# KiCad board ov9281-dual-camera-board.kicad_pcb
rev: 1.1.1
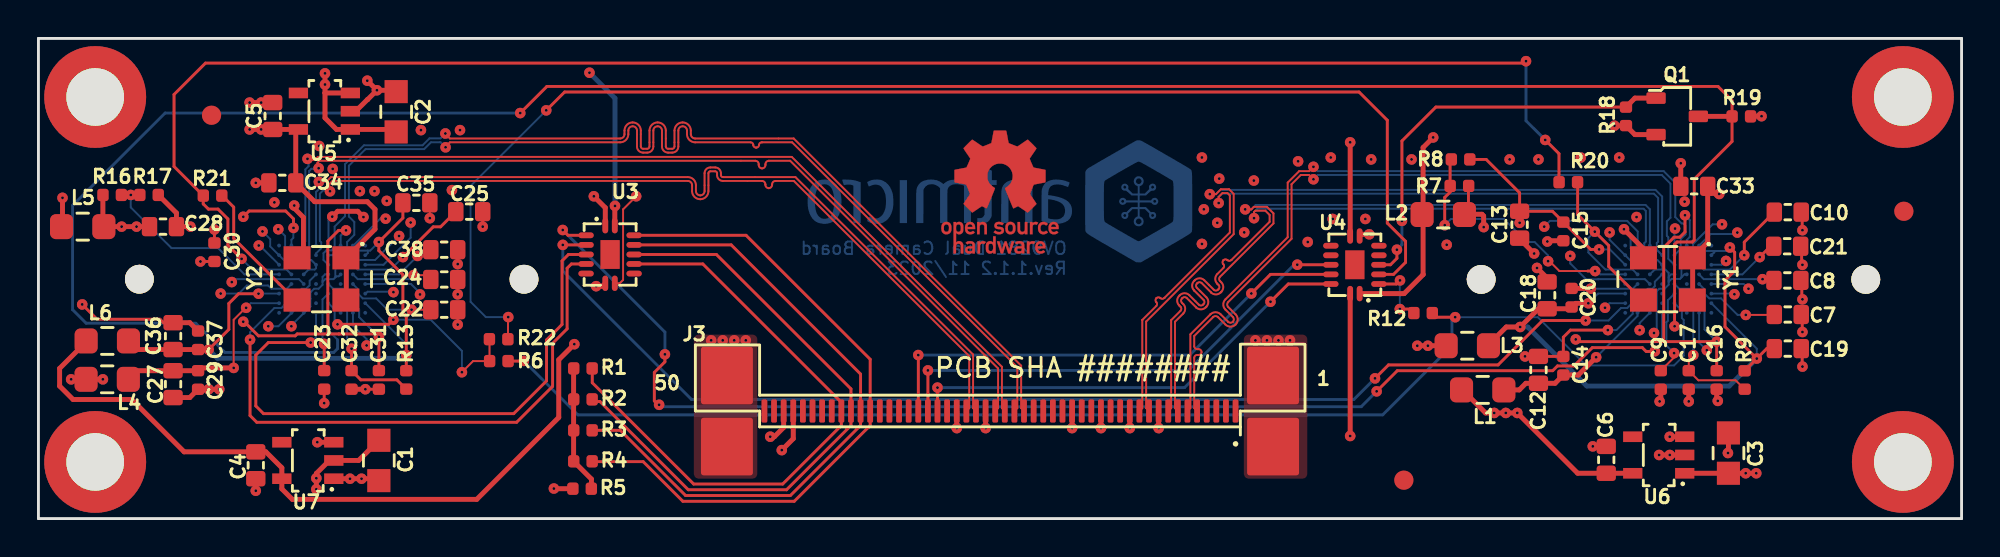
[diagram p0: board, top side]
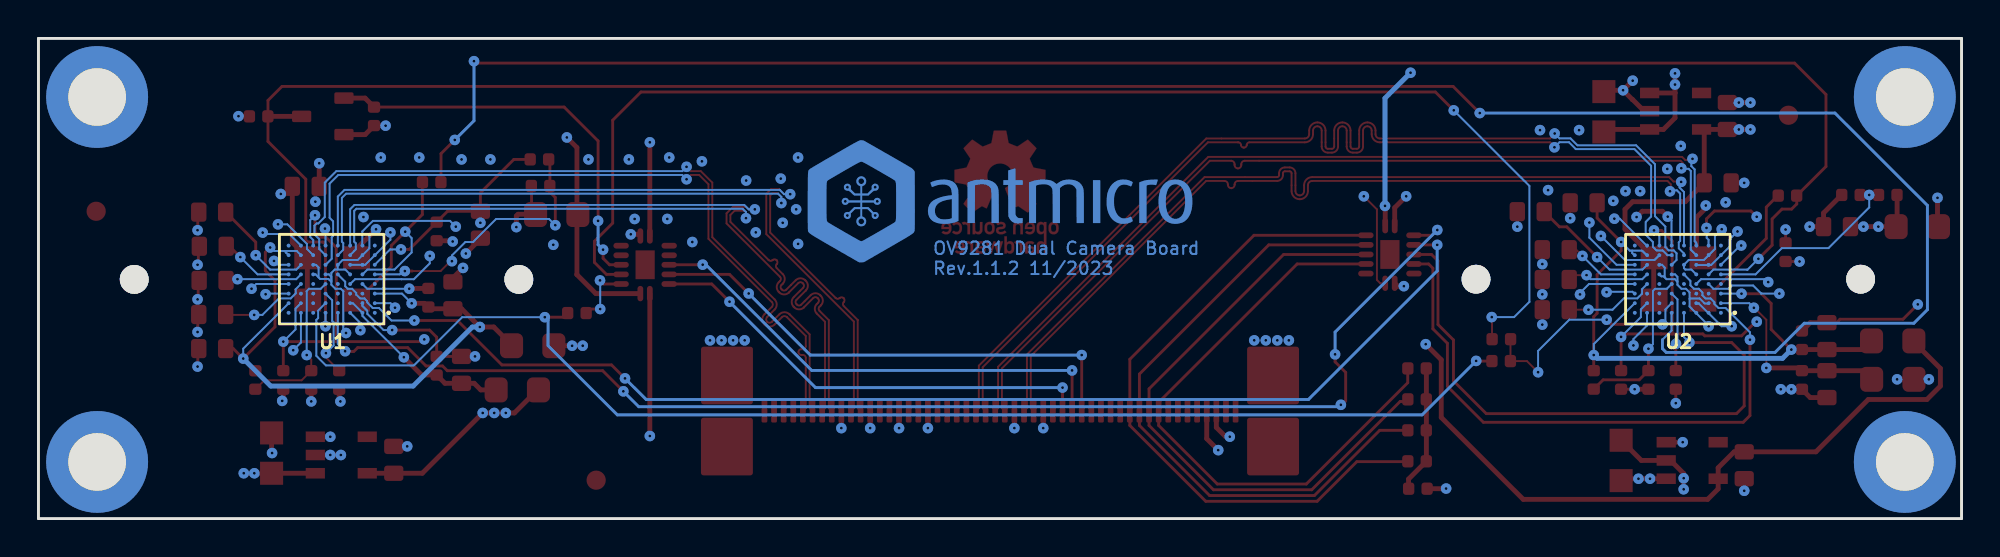
[diagram p1: board, bottom side, seen from below]

Outline 100 x 25 mm; copper layers: Top, In1.Cu, In2.Cu, Bottom. Coordinates in mm from the lower left corner of the outline.
Outline path: 0,25 0,0 100,0 100,25 0,25
Stack: Top 0.035mm / dielectric 0.48mm FR4 er 4.5 / In1.Cu 0.035mm / dielectric 0.48mm FR4 er 4.5 / In2.Cu 0.035mm / dielectric 0.48mm FR4 er 4.5 / Bottom 0.035mm

## Placement (name value [footprint] x y rotation side)
C1  C_4u7_0805  [C_0805_2012Metric]  17.7 3.03 90 top
C2  C_4u7_0805  [C_0805_2012Metric]  18.6 21.18 90 top
C3  C_4u7_0805  [C_0805_2012Metric]  87.88 3.41 90 top
C4  C_1u_0603  [C_0603_1608Metric]  11.3 2.78 270 top
C5  C_1u_0603  [C_0603_1608Metric]  12.18 20.96 90 top
C6  C_1u_0603  [C_0603_1608Metric]  81.53 3.06 90 top
C7  C_1u_0603  [C_0603_1608Metric]  90.97 10.63 0 top
C8  C_1u_0603  [C_0603_1608Metric]  90.94 12.4 0 top
C9  C_100n_6V3_0402  [C_0402_1005Metric]  84.36 7.22 270 top
C10  C_1u_0603  [C_0603_1608Metric]  90.97 15.95 0 top
C12  C_1u_0603  [C_0603_1608Metric]  78 7.74 90 top
C13  C_1u_0603  [C_0603_1608Metric]  77.02 15.3 90 top
C14  C_100n_6V3_0402  [C_0402_1005Metric]  79.29 7.96 90 top
C15  C_100n_6V3_0402  [C_0402_1005Metric]  79.29 14.95 90 top
C16  C_100n_6V3_0402  [C_0402_1005Metric]  87.27 7.22 270 top
C17  C_100n_6V3_0402  [C_0402_1005Metric]  85.82 7.22 270 top
C18  C_1u_0603  [C_0603_1608Metric]  78.45 11.62 90 top
C19  C_1u_0603  [C_0603_1608Metric]  90.97 8.85 0 top
C20  C_100n_6V3_0402  [C_0402_1005Metric]  79.72 11.5 90 top
C21  C_1u_0603  [C_0603_1608Metric]  90.94 14.18 0 top
C22  C_1u_0603  [C_0603_1608Metric]  21.1 10.88 0 top
C23  C_100n_6V3_0402  [C_0402_1005Metric]  14.86 7.22 270 top
C24  C_1u_0603  [C_0603_1608Metric]  21.1 12.45 0 top
C25  C_1u_0603  [C_0603_1608Metric]  22.4 15.98 0 top
C27  C_1u_0603  [C_0603_1608Metric]  7 7 270 top
C28  C_1u_0603  [C_0603_1608Metric]  6.47 15.2 0 top
C29  C_100n_6V3_0402  [C_0402_1005Metric]  8.3 7.22 270 top
C30  C_100n_6V3_0402  [C_0402_1005Metric]  9.15 13.87 90 top
C31  C_100n_6V3_0402  [C_0402_1005Metric]  17.7 7.22 270 top
C32  C_100n_6V3_0402  [C_0402_1005Metric]  16.28 7.22 270 top
C33  C_1u_0603  [C_0603_1608Metric]  86.1 17.3 180 top
C34  C_1u_0603  [C_0603_1608Metric]  12.68 17.48 180 top
C35  C_1u_0603  [C_0603_1608Metric]  19.65 16.44 0 top
C36  C_1u_0603  [C_0603_1608Metric]  7 9.5 90 top
C37  C_100n_6V3_0402  [C_0402_1005Metric]  8.3 9.28 90 top
C38  C_1u_0603  [C_0603_1608Metric]  21.1 14 0 top
FID1  -  [Fiducial_1mm_Mask3mm]  97 16 0 top
FID2  -  [Fiducial_1mm_Mask3mm]  9 21 0 top
FID3  -  [Fiducial_1mm_Mask3mm]  71 2 0 top
J3  Conn_FFC_WE_68715014522_TWO-SIDES  [Conn_FFC_WE_68715014x22_ALT]  50 7.75 180 top
L1  MLP2012S3R3MT  [L_0805_2012Metric]  75.1 6.7 0 top
L2  MLP2012S3R3MT  [L_0805_2012Metric]  73.05 15.83 0 top
L3  MLP2012S3R3MT  [L_0805_2012Metric]  74.3 9 0 top
L4  MLP2012S3R3MT  [L_0805_2012Metric]  3.58 7.25 0 top
L5  MLP2012S3R3MT  [L_0805_2012Metric]  2.3 15.2 0 top
L6  MLP2012S3R3MT  [L_0805_2012Metric]  3.58 9.25 0 top
MP1  Spacer_H3mm_9774030243R  [Spacer_Drill3mm_H3mm_9774030243R]  2.95 2.95 0 top
MP2  Spacer_H3mm_9774030243R  [Spacer_Drill3mm_H3mm_9774030243R]  96.95 21.95 0 top
MP3  Spacer_H3mm_9774030243R  [Spacer_Drill3mm_H3mm_9774030243R]  2.95 21.95 0 top
MP4  Spacer_H3mm_9774030243R  [Spacer_Drill3mm_H3mm_9774030243R]  96.95 2.95 0 top
MP5  -  [Camera_Lens_20mm]  15.25 12.46 0 bottom  (not fitted)
MP6  -  [Camera_Lens_20mm]  85.02 12.45 0 bottom  (not fitted)
N1  antmicro_logo  [antmicro-logo_scaled_20mm]  50 16.33 180 bottom
N2  oshw_logo  [oshw-logo]  50 17 0 top
Q1  BSS138AKA  [SOT-23-3]  85.21 20.94 0 top
R1  R_2k37_0402  [R_0402_1005Metric]  28.31 7.82 0 top  (not fitted)
R2  R_2k37_0402  [R_0402_1005Metric]  28.31 6.21 0 top  (not fitted)
R3  R_2k37_0402  [R_0402_1005Metric]  28.31 4.59 0 top  (not fitted)
R4  R_2k37_0402  [R_0402_1005Metric]  28.31 2.98 0 top  (not fitted)
R5  R_0R_0402  [R_0402_1005Metric]  28.27 1.56 0 top  (not fitted)
R6  R_0R_0402  [R_0402_1005Metric]  23.94 8.2 180 top  (not fitted)
R7  R_0R_0402  [R_0402_1005Metric]  73.89 17.32 180 top  (not fitted)
R8  R_0R_0402  [R_0402_1005Metric]  73.95 18.7 0 top  (not fitted)
R9  R_0R_0402  [R_0402_1005Metric]  88.72 7.22 90 top
R12  R_0R_0402  [R_0402_1005Metric]  72 10.7 180 top  (not fitted)
R13  R_0R_0402  [R_0402_1005Metric]  19.13 7.22 90 top
R16  R_0R_0402  [R_0402_1005Metric]  3.83 16.85 0 top  (not fitted)
R17  R_0R_0402  [R_0402_1005Metric]  5.75 16.85 0 top  (not fitted)
R18  R_10k_0402  [R_0402_1005Metric]  82.55 20.94 270 top
R19  R_2k_0402  [R_0402_1005Metric]  88.55 20.94 180 top
R20  R_0R_0402  [R_0402_1005Metric]  79.55 17.51 0 top  (not fitted)
R21  R_0R_0402  [R_0402_1005Metric]  9.05 16.81 0 top
R22  R_0R_0402  [R_0402_1005Metric]  23.93 9.34 0 top  (not fitted)
U1  ImageSensor_OV9281  [OV9281]  85 12.5 0 bottom
U2  ImageSensor_OV9281  [OV9281]  15 12.5 0 bottom
U3  NTS0104BQ  [DHVQFN-14-1EP_2.5x3mm]  29.72 13.75 0 top
U4  NTB0104BQ  [DHVQFN-14-1EP_2.5x3mm]  68.45 13.21 180 top
U5  TLV73318PDBVT  [SOT-23-5]  14.87 21.21 180 top
U6  TLV73312PDBVT  [SOT-23-5]  84.25 3.31 180 top
U7  TLV73328PDBVT  [SOT-23-5]  14.01 3.03 180 top
Y1  7C-24.000MBB-T  [Oscillator_SMD_TXC_7C_5x3.2x1.2mm]  84.75 12.49 270 top
Y2  7C-24.000MBB-T  [Oscillator_SMD_TXC_7C_5x3.2x1.2mm]  14.74 12.49 270 top

## Library data of the parts
C1-C3 = -: Datasheet: https://www.passivecomponent.com/wp-content/uploads/datasheet/WTC_MLCC_General_Purpose.pdf; Description: SMD Multilayer Ceramic Capacitor, 4.7 µF, 25 V, 0805 [2012 Metric], ± 10%, X5R; Author: Antmicro; License: Apache-2.0; MPN: 0805X475K250CT; Manufacturer: Walsin; Val: 4u7; Public: False
C4-C8 C10 C12 C13 C18 C19 C21 C22 C24 C25 C27 C28 C33-C36 C38 = -: Datasheet: https://spicat.kyocera-avx.com/product/mlcc/chartview/0603YD105KAT2A/; Description: SMD Multilayer Ceramic Capacitor, 1 µF, 16 V, 0603 [1608 Metric], ± 10%, X5R, AVX 0603 MLCC; Author: Antmicro; License: Apache-2.0; MPN: 0603YD105KAT2A; Manufacturer: KYOCERA AVX; Val: 1u
C9 C14-C17 C20 C23 C29-C32 C37 = -: Datasheet: https://www.passivecomponent.com/wp-content/uploads/datasheet/WTC_MLCC_General_Purpose.pdf; Description: SMT Multilayer Ceramic Capacitor, 0.1 µF, 6.3 V, 0402 [1005 Metric], ± 10%, X5R, Walsin MLCC; Author: Antmicro; License: Apache-2.0; MPN: 0402X104K6R3CT; Manufacturer: Walsin; Val: 100n; Public: False
FID1-FID3 = -: Description: Fiducial mask; Author: Antmicro; License: Apache-2.0
J3 = -: Datasheet: https://www.we-online.com/components/products/datasheet/68715014522.pdf; Description: FFC connector; Author: Antmicro; License: Apache-2.0; MPN: 68715014522; Manufacturer: Würth Elektronik; VSD_Class: Antmicro Dual Camera interface
L1-L6 = -: Datasheet: https://product.tdk.com/en/system/files?file=dam/doc/product/inductor/inductor/smd/catalog/inductor_commercial_power_mlp2012_en.pdf; Description: Multilayer Inductor, 3.3 µH, 0.19 ohm, 900 mA, 0805 [2012 Metric], MLP; Author: Antmicro; IMax: 0.9 A; ISat: 0.9 A; License: Apache-2.0; Manufacturer: TDK; Size: 2.0x1.2; Val: 3u3/0.9A
MP1-MP4 = -: Datasheet: https://www.we-online.com/components/products/datasheet/9774030243R.pdf; Description: Spacer, SMT, Non Stop, Steel, Swage Round, 4.35 mm x 3 mm, M2 Thread, WA-SMSI Series; Author: Antmicro; License: Apache-2.0; MPN: 9774030243R; Manufacturer: Würth Elektronik
MP5 MP6 = -: Datasheet: https://www.arducam.com/doc/m12_lens_kit_2.pdf; Description: Low Distortion 1/2.7″ 2.8 mm M12 Mount Lens; Author: Antmicro; License: Apache-2.0; MPN: U0756M10; Manufacturer: Arducam
N1 = -: Author: Antmicro; License: Apache-2.0
N2 = -: Description: Mechanical part; Author: Antmicro; License: Apache-2.0
Q1 = -: Datasheet: https://www.onsemi.com/pub/Collateral/BSS138-D.PDF; Description: Power MOSFET, N Channel, 50 V, 220 mA, 6.0 ohm, SOT-23, Surface Mount; Author: Antmicro; License: Apache-2.0; Manufacturer: ON Semiconductor
R1-R4 = -: Datasheet: https://www.bourns.com/docs/product-datasheets/cr.pdf; Description: SMD Chip Resistor; Author: Antmicro; License: Apache-2.0; MPN: CR0402-FX-2371GLF; Manufacturer: Bourns; Tolerance: 1%; Val: 2k37
R5-R9 R12 R13 R16 R17 R20-R22 = -: Datasheet: https://industrial.panasonic.com/cdbs/www-data/pdf/RDA0000/AOA0000C301.pdf; Description: SMD Chip Resistor, Jumper, 0 ohm, 100 mW, 0402 [1005 Metric], Thick Film, General Purpose; Author: Antmicro; Current: 1A; License: Apache-2.0; MPN: ERJ2GE0R00X; Manufacturer: Panasonic; Val: 0R
R18 = -: Datasheet: https://www.bourns.com/docs/product-datasheets/cr.pdf; Description: SMD Chip Resistor, 10 kohm, ± 1%, 62.5 mW, 0402 [1005 Metric], Thick Film, General Purpose; Author: Antmicro; License: Apache-2.0; MPN: CR0402-FX-1002GLF; Manufacturer: Bourns; Tolerance: 1%; Val: 10k
R19 = -: Datasheet: https://www.bourns.com/docs/product-datasheets/cr.pdf; Description: SMD Chip Resistor, 2 kohm, ± 1%, 62.5 mW, 0402 [1005 Metric], Thick Film, General Purpose; Author: Antmicro; License: Apache-2.0; MPN: CR0402-FX-2001GLF; Manufacturer: Bourns; Tolerance: 1%; Val: 2k
U1 U2 = -: Datasheet: https://www.ovt.com/wp-content/uploads/2022/01/OV9281-OV9282-PB-v1.3-WEB.pdf; Description: B&W CMOS 1 Megapixel (1280x800) Image Sensor with OmniPixel®3‑GS Technology; Author: Antmicro; License: Apache-2.0; MPN: OV9281; Manufacturer: OmniVision
U3 = -: Datasheet: https://www.nxp.com/docs/en/data-sheet/NTS0104.pdf; Description: Voltage Level Translator Bidirectional 1 Circuit 4 Channel 50Mbps 14-DHVQFN (2.5x3); Author: Antmicro; License: Apache-2.0; Manufacturer: NXP
U4 = -: Datasheet: https://www.nxp.com/docs/en/data-sheet/NTB0104.pdf; Description: Voltage Level Translator Bidirectional 1 Circuit 4 Channel 100Mbps 14-DHVQFN (2.5x3); Manufacturer: NXP; Author: Antmicro; License: Apache-2.0
U5 = -: Datasheet: https://www.ti.com/lit/ds/symlink/tlv733p.pdf; Description: Fixed LDO Voltage Regulator, 1.4V to 5.5V, 122mV Dropout, 1.8Vout, 300mAout, SOT-23-5; Author: Antmicro; License: Apache-2.0; Manufacturer: Texas Instruments
U6 = -: Datasheet: https://www.ti.com/lit/ds/symlink/tlv733p.pdf?HQS=dis-mous-null-mousermode-dsf-pf-null-wwe&ts=1676978230940&ref_url=https%253A%252F%252Fwww.mouser.com%252F; Description: Fixed LDO Voltage Regulator, 1.4V to 5.5V, 122mV Dropout, 1.2Vout, 300mAout, SOT-23-5; Author: Antmicro; License: Apache-2.0; Manufacturer: Texas Instruments
U7 = -: Datasheet: https://www.ti.com/lit/ds/symlink/tlv733p.pdf; Description: Fixed LDO Voltage Regulator, 1.4V to 5.5V, 122mV Dropout, 2.8Vout, 300mAout, SOT-23-5; Author: Antmicro; License: Apache-2.0; Manufacturer: Texas Instruments
Y1 Y2 = -: Datasheet: http://www.txccorp.com/download/products/oscillators/2015TXC_7C_57.pdf; Description: Oscillator, 24 MHz, 50 ppm, SMT, 5mm x 3.2mm, 3.3 V, 7C Series; Author: Antmicro; License: Apache-2.0; Manufacturer: TXC; Val: 24 MHz

## Footprints (pads in the part's own frame, mm; a bottom-side part is the same pattern mirrored in y, then rotated)
C_0402_1005Metric
  rrect 0.59x0.64 smd: 1(-0.484,0) 2(0.484,0)
C_0603_1608Metric
  rrect 0.8x1 smd: 1(-0.7,0) 2(0.7,0)
C_0805_2012Metric
  rect 1.2x1.2 smd: 1(-1.05,0) 2(1.05,0)
Camera_Lens_20mm
  round 1.5 hole 1.5 unplated: (-10,0) (10,0)
Conn_FFC_WE_68715014x22_ALT
  rrect 0.3x1.2 smd: 1(-12.25,2.15) 2(-11.75,2.15) 3(-11.25,2.15) 4(-10.75,2.15) 5(-10.25,2.15) 6(-9.75,2.15) 7(-9.25,2.15) 8(-8.75,2.15) 9(-8.25,2.15) 10(-7.75,2.15) 11(-7.25,2.15) 12(-6.75,2.15) 13(-6.25,2.15) 14(-5.75,2.15) 15(-5.25,2.15) 16(-4.75,2.15) 17(-4.25,2.15) 18(-3.75,2.15) 19(-3.25,2.15) 20(-2.75,2.15) 21(-2.25,2.15) 22(-1.75,2.15) 23(-1.25,2.15) 24(-0.75,2.15) 25(-0.25,2.15) 26(0.248,2.15) 27(0.748,2.15) 28(1.249,2.15) 29(1.749,2.15) 30(2.249,2.15) 31(2.749,2.15) 32(3.249,2.15) 33(3.749,2.15) 34(4.248,2.15) 35(4.748,2.15) 36(5.248,2.15) 37(5.749,2.15) 38(6.249,2.15) 39(6.749,2.15) 40(7.249,2.15) 41(7.749,2.15) 42(8.249,2.15) 43(8.749,2.15) 44(9.249,2.15) 45(9.749,2.15) 46(10.249,2.15) 47(10.749,2.15) 48(11.249,2.15) 49(11.749,2.15) 50(12.249,2.15)
  rrect 2.7x3 smd: MP1(-14.201,4) MP1(-14.198,0.3) MP2(14.198,4) MP2(14.198,0.3)
DHVQFN-14-1EP_2.5x3mm
  oval 0.3x0.8 smd: 1(-0.25,1.5) 7(-0.25,-1.499) 8(0.244,-1.499) 14(0.244,1.5)
  oval 0.8x0.3 smd: 2(-1.25,1) 3(-1.25,0.5) 4(-1.25,0) 5(-1.25,-0.494) 6(-1.25,-0.994) 9(1.249,-0.994) 10(1.249,-0.494) 11(1.249,0) 12(1.249,0.5) 13(1.249,1)
  rect 1x1.5 smd: 15(0,0)
Fiducial_1mm_Mask3mm
  round 1 smd: (0,0)
L_0805_2012Metric
  rrect 1.2x1.3 smd: 1(-1.1,0) 2(1.1,0)
Oscillator_SMD_TXC_7C_5x3.2x1.2mm
  rect 1.2x1.4 smd: 1(-1.085,1.245) 2(-1.085,-1.295) 3(1.115,-1.295) 4(1.115,1.245)
OV9281
  round 0.2 smd: A1(-2.487,1.786) A2(-1.847,1.786) A3(-1.208,1.786) A4(-0.568,1.786) A5(0.072,1.786) A6(0.713,1.786) A7(1.353,1.786) A8(1.992,1.786) B1(-2.487,1.286) B2(-1.847,1.286) B3(-1.208,1.286) B4(-0.568,1.286) B5(0.072,1.286) B6(0.713,1.286) B7(1.353,1.286) B8(1.992,1.286) C1(-2.487,0.786) C2(-1.847,0.786) C3(-1.208,0.786) C4(-0.568,0.786) C5(0.072,0.786) C6(0.713,0.786) C7(1.353,0.786) C8(1.992,0.786) D1(-2.487,0.286) D2(-1.847,0.286) D3(-1.208,0.286) D4(-0.568,0.286) D5(0.072,0.286) D6(0.713,0.286) D7(1.353,0.286) D8(1.992,0.286) E1(-2.487,-0.214) E2(-1.847,-0.214) E3(-1.208,-0.214) E4(-0.568,-0.214) E5(0.072,-0.214) E6(0.713,-0.214) E7(1.353,-0.214) E8(1.992,-0.214) F1(-2.487,-0.714) F2(-1.847,-0.714) F3(-1.208,-0.714) F4(-0.568,-0.714) F5(0.072,-0.714) F6(0.713,-0.714) F7(1.353,-0.714) F8(1.992,-0.714) G1(-2.487,-1.214) G2(-1.847,-1.214) G3(-1.208,-1.214) G4(-0.568,-1.214) G5(0.072,-1.214) G6(0.713,-1.214) G7(1.353,-1.214) G8(1.992,-1.214) H1(-2.487,-1.714) H2(-1.847,-1.714) H3(-1.208,-1.714) H4(-0.568,-1.714) H5(0.072,-1.714) H6(0.713,-1.714) H7(1.353,-1.714) H8(1.992,-1.714)
R_0402_1005Metric
  rrect 0.59x0.64 smd: 1(-0.48,0) 2(0.48,0)
SOT-23-3
  rrect 1x0.6 smd: 1(-1.1,0.951) 2(-1.1,-0.949) 3(1.1,0.001)
SOT-23-5
  rect 1x0.55 smd: 1(-1.351,0.951) 2(-1.351,0) 3(-1.351,-0.949) 4(1.35,-0.949) 5(1.35,0.951)
Spacer_Drill3mm_H3mm_9774030243R
  custom 2.122x2.109 smd: (-1.9,0.8) (1.9,-0.8)
  custom 2.109x2.122 smd: (-0.8,-1.9) (0.8,1.9)
  round 5.3 hole 3: 1(0,0)

## Nets
+1V2: C6.1 L1.1 L4.1 U6.5
+1V8: C5.1 C33.1 C34.1 L2.1 L5.1 R19.1 U3.1 U3.8 U4.1 U4.8 U5.5 Y1.1 Y1.4 Y2.1 Y2.4
+2V8: C4.1 L3.1 L6.1 U7.5
+3V3: C1.1 C2.1 C3.1 J3.47 J3.48 R5.1 U3.14 U4.14 U5.1 U5.3 U6.1 U6.3 U7.1 U7.3
GND: C1.2 C2.2 C3.2 C4.2 C5.2 C6.2 C7.2 C8.2 C9.2 C10.2 C12.2 C13.2 C14.2 C15.2 C16.2 C17.2 C18.2 C19.2 C20.2 C21.2 C22.2 C23.2 C24.2 C25.2 C27.2 C28.2 C29.2 C30.2 C31.2 C32.2 C33.2 C34.2 C35.2 C36.2 C37.2 C38.2 J3.9 J3.12 J3.15 J3.18 J3.27 J3.30 J3.MP1 J3.MP2 Q1.2 R8.2 R17.2 R18.2 U1.A3 U1.A7 U1.B2 U1.C8 U1.D2 U1.E3 U1.E5 U1.E6 U1.F1 U1.F4 U1.F6 U1.F8 U1.G2 U1.H7 U2.A3 U2.A7 U2.B2 U2.C8 U2.D2 U2.E3 U2.E5 U2.E6 U2.F1 U2.F4 U2.F6 U2.F8 U2.G2 U2.H7 U3.7 U4.7 U5.2 U6.2 U7.2 Y1.2 Y2.2
/CAM_L_CLK_N: J3.10 U1.H4
/CAM_L_CLK_P: J3.11 U1.G4
/CAM_L_D0_N: J3.7 U1.H3
/CAM_L_D0_P: J3.8 U1.G3
/CAM_L_D1_N: J3.5 U1.F5
/CAM_L_D1_P: J3.6 U1.G5
/CAM_NRST_1V8: Q1.3 R19.2 U1.A5 U2.A5
/CAM_R_CLK_N: J3.28 U2.H4
/CAM_R_CLK_P: J3.29 U2.G4
/CAM_R_D0_N: J3.25 U2.H3
/CAM_R_D0_P: J3.26 U2.G3
/CAM_R_D1_N: J3.23 U2.F5
/CAM_R_D1_P: J3.24 U2.G5
/CAM_RST: J3.33 U4.11
/CAM_RST_1V8: Q1.1 R18.1 U4.4
/M1_AVDD: C18.1 C19.1 C20.1 L3.2 R9.2 U1.B8 U1.C1 U1.G7 U1.G8
/M1_CAM_SCL: J3.40 R3.2 U3.12
/M1_CAM_SCL_1V8: U1.E4 U3.3
/M1_CAM_SDA: J3.39 R4.2 U3.13
/M1_CAM_SDA_1V8: U1.A4 U3.2
/M1_DOVDD: C13.1 C15.1 C16.1 L2.2 R7.1 U1.B7 U1.D3 U1.H2 U1.H6
/M1_DVDD: C9.1 C12.1 C14.1 L1.2 U1.A2 U1.B1 U1.B3 U1.C5 U1.D8 U1.F2 U1.F3 U1.G1 U1.G6 U1.H5
/M1_MCLK: R20.2 U1.E2 Y1.3
/M1_PVDD: C17.1 R9.1 U1.D5
/M1_SID: R7.2 R8.1 U1.E1
/M1_VH: C21.1 U1.E8
/M1_VN1: C7.1 U1.D7
/M1_VN2: C8.1 U1.E7
/M1_VN3: C10.1 U1.F7
/M1_VSYNC: J3.32 U4.13
/M1_VSYNC_1V8: R12.2 U4.2
/M1_VSYNC_1V8_M: R6.1 R12.1 U1.B5
/M2_AVDD: C35.1 C36.1 C37.1 L6.2 R13.2 U2.B8 U2.C1 U2.G7 U2.G8
/M2_CAM_SCL: J3.42 R1.2 U3.10
/M2_CAM_SCL_1V8: U2.E4 U3.5
/M2_CAM_SDA: J3.41 R2.2 U3.11
/M2_CAM_SDA_1V8: U2.A4 U3.4
/M2_DOVDD: C28.1 C30.1 C31.1 L5.2 R16.1 U2.B7 U2.D3 U2.H2 U2.H6
/M2_DVDD: C23.1 C27.1 C29.1 L4.2 U2.A2 U2.B1 U2.B3 U2.C5 U2.D8 U2.F2 U2.F3 U2.G1 U2.G6 U2.H5
/M2_MCLK: R21.2 Y2.3
/M2_MCLK_M: R20.1 R21.1 U2.E2
/M2_PVDD: C32.1 R13.1 U2.D5
/M2_SID: R16.2 R17.1 U2.E1
/M2_VH: C38.1 U2.E8
/M2_VN1: C22.1 U2.D7
/M2_VN2: C24.1 U2.E7
/M2_VN3: C25.1 U2.F7
/M2_VSYNC: J3.34 U4.12
/M2_VSYNC_1V8: R22.2 U4.3
/M2_VSYNC_1V8_M: R6.2 R22.1 U2.B5
Net-(R1-Pad1): R1.1 R2.1 R3.1 R4.1 R5.2

Pads without a net: J3 1 2 3 4 13 14 16 17 19 20 21 22 31 35 36 37 38 43 44 45 46 49 50; MP1 1; MP2 1; MP3 1; MP4 1; U1 A1 A6 A8 B4 B6 C2 C3 C4 C6 C7 D1 D4 D6 H1 H8; U2 A1 A6 A8 B4 B6 C2 C3 C4 C6 C7 D1 D4 D6 H1 H8; U3 6 9 15; U4 5 6 9 10 15; U5 4; U6 4; U7 4

## Via types
v1: diameter 0.55, hole 0.15, Top to Bottom, 233 vias

## Routing (per net, layer and track width the routed paths; a pad name or vN(x,y) marks a point on that pad's centre or on a via; arc(x,y) is an arc through that point)
+1V2: length 12.3
  Top w0.254: v1(3.35,7.25) v1(1.7,7.25) ; 74.05,6.7 75.25,5.5 v1(75.7,5.5) v1(76.3,5.5) v1(76.9,5.5) 80.04,2.36 C6.1 U6.5
+1V8: length 47.3
  Top w0.1: v1(31.08,16.78) 30.4,16.1 30.4,12.42 30.23,12.25 U3.8
  Top w0.25: v1(72.53,19.84) 72,19.32 72,12.71
  Top w0.254: 72,12.71 72,12.7 71.01,11.71 U4.1 ; v1(10.98,20.26) C5.1 U5.5 13.38,20.12 C34.1 14.36,16.5 17.1,16.5 17.5,16.1 17.5,15.07 16.01,13.57 16.01,11.37 ; 86.02,11.4 86.02,13.6 86.8,14.38 C33.1 87.2,16.9 v1(87.4,16.9) ; R19.1 89.04,20.95 v1(89.6,20.95) ; U3.1 29.47,16.19 v1(28.88,16.78) ; v1(1.25,16.7) 1.25,15.2 ; v1(68.21,19.59) U4.8
  vias: v1(11.58,20.26)
+2V8: length 39.5
  Top w0.254: v1(27.86,9.08) 27.06,8.27 27.06,5.27 22.79,1 13.2,1 12.66,1.55 U7.5 12.66,2.64 11.82,3.48 C4.1 7.57,3.48 4.85,6.2 1.8,6.2 1.1,6.9 1.1,7.82 2.53,9.25 ; 73.25,9 v1(72.25,9) v1(71.7,9)
+3V3: length 36.1
  Top w0.254: v1(38.65,3.56) 39.25,4.16 J3.47 ; U5.1 18.47,20.26 C2.1 ; v1(26.8,1.56) 26.81,1.56 27.78,1.56 ; U3.14 29.97,16.27 v1(29.98,16.28) ; v1(84.82,4.26) U6.3 ; U4.14 v1(68.21,4.3) ; 85.38,2.36 C3.1 v1(88.78,2.36) v1(89.32,2.36) ; U7.1 17.5,2.08 ; U5.3 14.9,22.16 ; 14.9,22.16 14.9,20.86 15.5,20.26 15.99,20.26 ; 14.9,22.16 v1(14.9,22.6) v1(14.9,23.18) ; U7.3 v1(14.5,3.98) ; J3.48 38.75,4.75 38.27,4.26 v1(38.05,4.26)
  Bottom w0.254: v1(29.98,16.28) 29.98,21.89 v1(28.65,23.21)
  vias: v1(16.2,2.08) v1(16.8,2.08)
GND: length 121.5
  Top w0.1: v1(21.8,11.67) C24.2 ; C38.2 v1(21.8,13.25) ; C35.2 v1(20.35,15.64) ; v1(21.8,10.1) C22.2
  Top w0.15: C36.2 6.5,10.2 6.32,10.38 3.05,10.38 v1(2.28,11.15) ; v1(23.1,15.2) C25.2 ; v1(14.86,6.01) C23.2 ; 74.44,18.7 75.28,18.7 77.02,16.96 C13.2 78.73,16 80.71,14.01 v1(81.15,14.01) ; 91.69,12.33 91.69,11.45 ; 91.72,15.88 91.72,15.03 ; C12.2 C14.2 79.29,9.44 79.66,9.81 v1(81.61,9.81) ; v1(17,6.73) C31.2 ; 91.69,14.1 91.69,13.26 ; v1(9.15,15.05) 9.15,14.36 ; 91.72,8.77 91.72,7.93 ; 91.72,10.55 91.72,9.73
  Top w0.25: v1(77.02,15.4) C13.2 ; v1(7.9,15.2) C28.2
  Top w0.254: v1(13.3,16.3) 13.3,16.16 13.78,15.68 13.78,13.89 13.47,13.57 ; C32.2 v1(17,6.74) ; v1(80.82,3.76) C6.2 ; U6.2 v1(84.82,3.31) v1(84.28,3.31) ; v1(85.4,18.5) C33.2 ; C37.2 7.87,10.2 C36.2 ; v1(11.3,1.45) C4.2 ; C16.2 87.27,6.18 v1(87.32,6.13) ; v1(17.1,22.8) v1(17.6,22.3) ; v1(17.6,22.3) 18.53,22.3 C2.2 ; v1(17.6,22.3) 17.11,21.81 17.1,21.81 16.5,21.21 U5.2 ; v1(84.3,6.1) 84.36,6.16 C9.2 ; v1(53.75,4.71) 53.75,5.6 ; v1(29,12.1) 29.32,12.1 U3.7 ; C1.2 16.65,3.03 U7.2 15.13,3.03 14.45,2.35 v1(14.45,2.1) v1(14.45,1.53) ; v1(49.25,4.71) 49.25,4.71 49.25,5.6 ; v1(9.4,6.73) v1(8.85,6.73) C29.2 7.87,6.3 C27.2 ; v1(87.85,3.41) 87.88,3.44 C3.2 ; J3.30 47.75,4.71 v1(47.75,4.71) ; v1(10.98,21.66) C5.2 ; C34.2 v1(11.3,17.48) ; Q1.2 83.01,19.99 82.55,20.46 v1(81.95,20.46) ; U4.7 68.79,14.8 v1(69.2,14.8) ; v1(80.72,11.97) 80.71,11.98 C20.2 ; C17.2 v1(85.82,6.1) ; C18.2 78.45,12.53 v1(77.93,13.05) ; v1(56.75,4.71) 56.75,5.6 ; v1(58.25,4.71) 58.25,5.6 ; v1(82.45,15.06) 83.48,14.03 83.48,13.6 ; C28.2 7.17,15.91 6.23,16.85 ; C12.2 v1(77.3,8.44) ; v1(55.25,4.71) 55.25,5.6
  Bottom w0.1: 15.44,12.56 15.44,13.08 15.58,13.21 15.72,13.21 ; 15.44,12.56 15.49,12.61 15.61,12.61 U2.E6 ; 15.44,12.56 15.34,12.46 14.91,12.46 14.77,12.33 ; 14.77,12.33 14.77,12.59 14.9,12.71 15.08,12.71 ; 14.77,12.33 14.77,12.17 14.56,11.96 14.33,11.96 14.14,11.78 14.14,11.44 ; U1.H7 86.95,14.81 88.26,14.81 v1(88.34,14.89) ; 14.14,11.44 14.14,11.04 13.15,10.05 v1(13.15,10.01) ; 14.14,11.44 14.12,11.46 13.62,11.46 13.36,11.2 13.16,11.2 ; 13.8,12.71 14.05,12.96 14.36,12.96 14.44,13.04 14.44,13.21 14.19,13.46 13.4,13.46 12.83,14.03 12.83,14.71 v1(12.47,15.06) ; U1.B2 83.15,11.07 82.9,10.82 82.9,10.66 82.05,9.81 v1(81.61,9.81) ; 84.44,12.97 84.44,13.21 84.18,13.46 83.4,13.46 82.79,14.07 82.79,14.72 v1(82.45,15.06) ; U2.F1 11.51,14.22 v1(11.46,14.22) ; 16.36,14.2 17.77,15.61 v1(18.05,15.61) ; U1.E5 84.9,12.71 84.77,12.59 84.77,12.38 ; U1.F8 87.52,13.21 87.68,13.37 ; 17,11.7 17.11,11.81 18.44,11.81 v1(18.46,11.79) ; U1.F6 85.57,13.21 85.43,13.08 85.43,12.56 ; v1(19.35,15.41) 19.35,14.63 17.94,13.21 U2.F8 ; 84.77,12.38 84.77,12.79 84.6,12.96 84.04,12.96 U1.E3 ; 84.77,12.38 84.77,12.33 ; U1.E6 85.59,12.71 85.43,12.56 ; U1.C8 88.16,11.71 v1(88.19,11.68) ; v1(80.72,11.97) 80.73,11.96 82.9,11.96 U1.D2 ; 85.43,12.56 85.35,12.47 84.92,12.47 84.77,12.33 ; U1.A3 83.26,10.18 v1(83.26,9.81) ; v1(81.15,14.01) 81.71,14.01 U1.F1 ; v1(86.75,8.76) 86.35,9.16 U1.A7 ; 13.16,12.21 12.91,11.96 12.11,11.96 11.94,12.14 10.83,12.14 10.42,11.72 v1(9.47,11.72) ; 16.36,10.71 16.36,10.05 17.06,9.34 v1(17.06,9.01) ; 84.77,12.33 84.77,12.18 84.56,11.96 84.27,11.96 84.15,11.84 84.15,9.81 v1(84.01,9.66)
  vias: v1(11.58,21.66) v1(12.27,16.46) v1(14.6,19.4) v1(15.3,18.2) v1(16.71,17.05) v1(17.47,17.05) v1(18.11,16.54) v1(19.89,20.22) v1(21.5,17.1) v1(21.92,20.22) v1(34.98,9.28) v1(35.58,9.28) v1(36.18,9.28) v1(36.78,9.28) v1(60.5,18.8) v1(60.5,14.3) v1(60.6,16.1) v1(61.3,15.4) v1(61.4,17.7) v1(62.7,14.9) v1(63.2,17.6) v1(63.28,9.28) v1(63.88,9.28) v1(64.48,9.28) v1(65.08,9.28) v1(65.5,18.6) v1(66,14.4) v1(67.2,18.8) v1(67.3,15.6) v1(69,15.6) v1(69.3,18.7) v1(71.4,18.7) v1(73.23,14.26) v1(76.5,18.7) v1(78,18.7) v1(80.2,18.8) v1(82.2,18.8) v1(83.1,15.7) v1(85.6,16.5) v1(87.75,13.41) v1(91.73,15.01) v1(91.73,13.21) v1(91.73,11.41) v1(91.73,9.71) v1(91.73,7.91)
/CAM_L_CLK_N: length 41
  Top w0.1: v1(60.91,16.89) 61.23,16.89 61.49,17.15 61.91,17.15 62.15,16.9 62.15,14.81 57.6,10.26 57.6,5.75 J3.10
  Bottom w0.1: U1.H4 84.43,16.77 84.09,17.11 61.45,17.11 61.23,16.89 v1(60.91,16.89)
/CAM_L_CLK_P: length 41
  Top w0.1: v1(61.37,16.43) 61.37,16.75 61.57,16.95 61.83,16.95 61.95,16.82 61.95,14.89 58.55,11.49 58.54,11.48 arc(58.44,11.44) 58.34,11.48 arc(58.24,11.52) 58.14,11.48 58.13,11.47 arc(58.09,11.37) 58.13,11.27 arc(58.17,11.17) 58.13,11.07 57.4,10.34 57.4,10.33 57.4,5.75 J3.11
  Bottom w0.1: v1(61.37,16.43) 61.37,16.75 61.54,16.91 84,16.91 84.22,16.69 84.22,14.42 84.15,14.35 84.15,13.99 U1.G4
/CAM_L_D0_N: length 41
  Top w0.1: J3.7 59.1,5.75 59.1,10.25 59.53,10.68 arc(59.63,10.92) 59.53,11.17 59.46,11.24 arc(59.41,11.35) 59.46,11.45 59.49,11.49 arc(59.6,11.53) 59.7,11.49 60.2,10.99 arc(60.45,10.89) 60.69,10.99 60.73,11.03 arc(60.83,11.28) 60.73,11.52 60.23,12.02 arc(60.19,12.13) 60.23,12.23 60.27,12.27 arc(60.38,12.31) 60.48,12.27 60.98,11.77 arc(61.22,11.67) 61.47,11.77 61.51,11.81 arc(61.61,12.05) 61.51,12.3 61.44,12.37 arc(61.39,12.48) 61.44,12.59 64.22,15.37 64.22,15.89 63.88,16.23 63.2,16.23 63.07,16.1 v1(62.75,16.1)
  Bottom w0.1: v1(62.75,16.1) 63.07,16.1 63.3,16.33 83.57,16.33 83.79,16.11 U1.H3
/CAM_L_D0_P: length 41
  Top w0.1: v1(63.21,15.64) 63.21,15.96 63.28,16.03 63.8,16.03 64.02,15.81 64.02,15.45 62.03,13.46 arc(61.93,13.42) 61.82,13.46 arc(61.72,13.5) 61.62,13.46 61.61,13.45 arc(61.57,13.35) 61.61,13.25 arc(61.65,13.14) 61.61,13.04 61.3,12.73 arc(61.19,12.48) 61.3,12.23 61.37,12.16 arc(61.41,12.05) 61.37,11.95 61.33,11.91 arc(61.22,11.87) 61.12,11.91 60.62,12.41 arc(60.38,12.51) 60.13,12.41 60.09,12.37 arc(59.99,12.13) 60.09,11.88 60.59,11.38 arc(60.63,11.28) 60.59,11.17 60.55,11.14 arc(60.45,11.09) 60.34,11.14 59.85,11.63 arc(59.6,11.73) 59.35,11.63 59.32,11.6 arc(59.21,11.35) 59.32,11.1 59.39,11.03 arc(59.43,10.92) 59.39,10.82 58.9,10.33 58.9,5.75 J3.8
  Bottom w0.1: U1.G3 83.58,13.92 83.58,13.93 83.5,14.01 83.5,14.34 83.58,14.42 83.58,16.02 83.47,16.13 63.38,16.13 63.21,15.96 v1(63.21,15.64)
/CAM_L_D1_N: length 40.9
  Top w0.1: J3.5 60.1,5.75 60.1,8.37 arc(60.14,8.48) 60.25,8.52 60.33,8.52 arc(60.44,8.56) 60.48,8.67 arc(60.44,8.78) 60.33,8.82 60.25,8.82 arc(60.14,8.86) 60.1,8.97 60.1,9.51 61.08,10.49 arc(61.21,10.54) 61.33,10.49 61.72,10.1 arc(61.99,9.99) 62.25,10.1 arc(62.36,10.37) 62.25,10.63 61.86,11.02 arc(61.81,11.15) 61.86,11.27 65.16,14.57 65.16,17.41 65.64,17.89 66.07,17.89 v1(66.3,17.67)
  Bottom w0.1: v1(66.3,17.67) 66.53,17.89 84.41,17.89 84.86,17.44 84.86,15.66 84.68,15.48 84.68,14.72 84.75,14.65 84.75,13.53 85.07,13.21
/CAM_L_D1_P: length 40.9
  Top w0.1: J3.6 59.9,5.75 59.9,9.59 60.94,10.63 arc(61.21,10.74) 61.47,10.63 61.86,10.25 arc(61.99,10.19) 62.11,10.25 arc(62.16,10.37) 62.11,10.49 61.72,10.88 arc(61.61,11.15) 61.72,11.41 64.96,14.65 64.96,17.49 65.56,18.09 66.07,18.09 v1(66.3,18.31)
  Bottom w0.1: v1(66.3,18.31) 66.53,18.09 84.51,18.09 85.11,17.49 85.11,15.7 85.44,15.37 85.53,15.37 85.65,15.25 85.65,14.8 85.4,14.55 85.4,14.04 U1.G5
/CAM_NRST_1V8: length 127.3
  Top w0.15: v1(25.05,21.11) 26.44,22.5 87.34,22.5 88.06,21.77 88.06,19.64 86.1,17.67 86.1,14.5 86,14.4 85.21,14.4 85.08,14.27 v1(85.08,10.01)
  Top w0.254: Q1.3 88.06,20.94
  Bottom w0.1: 15.55,9.31 15.08,9.79 15.08,10.7 ; U1.A5 85.07,10.02 v1(85.08,10.01)
  Bottom w0.15: v1(25.05,21.11) 6.58,21.11 1.78,16.31 1.78,10.88 2.48,10.17 8.18,10.17 9.7,8.65 15.35,8.65 15.55,8.85 15.55,9.31
/CAM_R_CLK_N: length 46.5
  Top w0.1: J3.28 48.6,5.75 48.6,8.54 39.36,17.78 35.59,17.78 arc(35.52,17.81) 35.49,17.88 35.49,17.98 arc(35.4,18.19) 35.19,18.28 34.94,18.28 arc(34.73,18.19) 34.64,17.98 34.64,17.05 arc(34.57,16.89) 34.41,16.83 arc(34.25,16.89) 34.19,17.05 34.19,17.36 arc(34.06,17.66) 33.76,17.78 15.21,17.78 14.98,17.55 14.66,17.55
  Bottom w0.1: U2.H4 14.43,17 14.66,17.23 14.66,17.55
  vias: v1(14.58,17.53)
/CAM_R_CLK_P: length 47
  Top w0.1: 15.12,17.09 15.12,17.41 15.29,17.58 33.76,17.58 arc(33.92,17.51) 33.99,17.36 33.99,17.05 arc(34.11,16.75) 34.41,16.63 arc(34.71,16.75) 34.84,17.05 34.84,17.98 arc(34.87,18.05) 34.94,18.08 35.19,18.08 arc(35.26,18.05) 35.29,17.98 35.29,17.88 arc(35.38,17.67) 35.59,17.58 37.62,17.58 arc(37.75,17.53) 37.8,17.41 37.8,17.38 arc(37.85,17.25) 37.97,17.2 arc(38.1,17.25) 38.15,17.38 38.15,17.41 arc(38.2,17.53) 38.32,17.58 39.28,17.58 48.4,8.46 48.4,5.75 J3.29
  Bottom w0.1: U2.G4 14.43,13.8 14.7,14.07 14.7,14.38 14.63,14.45 14.63,16.92 14.8,17.09 15.12,17.09
  vias: v1(15.16,17.04)
/CAM_R_D0_N: length 47.6
  Top w0.1: 14.05,18.67 14.37,18.67 14.53,18.83 39.17,18.83 50.1,7.9 50.1,5.75 J3.25
  Bottom w0.1: U2.H3 13.79,14.36 13.88,14.44 13.88,18.18 14.05,18.35 14.05,18.67
  vias: v1(13.99,18.73)
/CAM_R_D0_P: length 48
  Top w0.1: 14.51,18.21 14.51,18.53 14.61,18.63 37.28,18.63 arc(37.4,18.58) 37.45,18.45 37.45,18.41 arc(37.5,18.28) 37.63,18.23 arc(37.75,18.28) 37.8,18.41 37.8,18.45 arc(37.85,18.58) 37.98,18.63 39.09,18.63 49.9,7.82 49.9,5.75 J3.26
  Bottom w0.1: 14.51,18.21 14.19,18.21 14.08,18.1 14.08,14 U2.G3
  vias: v1(14.57,18.24)
/CAM_R_D1_N: length 54.9
  Top w0.1: J3.23 51.1,5.75 51.1,7.96 39.27,19.79 34.15,19.79 arc(33.99,19.86) 33.92,20.02 33.92,20.2 arc(33.8,20.5) 33.5,20.63 arc(33.2,20.5) 33.07,20.2 33.07,19.37 arc(33.04,19.29) 32.96,19.25 32.74,19.25 arc(32.66,19.29) 32.62,19.37 32.62,20.2 arc(32.5,20.5) 32.2,20.63 arc(31.9,20.5) 31.77,20.2 31.77,19.37 arc(31.74,19.29) 31.66,19.25 31.44,19.25 arc(31.36,19.29) 31.32,19.37 31.32,20.2 arc(31.2,20.5) 30.9,20.63 arc(30.6,20.5) 30.47,20.2 30.47,20.02 arc(30.41,19.86) 30.25,19.79 21.39,19.79 21.17,20.02
  Bottom w0.1: v1(21.16,20.05) 20.91,19.8 20.33,19.8 19.97,19.44 16.93,19.44 15.94,18.45 15.94,15.74 15.4,15.2 15.4,14.14 15.23,13.96 14.97,13.96 14.82,13.82 14.82,13.47 U2.F5
/CAM_R_D1_P: length 54.3
  Top w0.1: 21.17,19.36 21.39,19.59 30.25,19.59 arc(30.55,19.71) 30.67,20.02 30.67,20.2 arc(30.74,20.36) 30.9,20.43 arc(31.06,20.36) 31.12,20.2 31.12,19.37 arc(31.22,19.15) 31.44,19.05 31.66,19.05 arc(31.88,19.15) 31.97,19.37 31.97,20.2 arc(32.04,20.36) 32.2,20.43 arc(32.36,20.36) 32.42,20.2 32.42,19.37 arc(32.52,19.15) 32.74,19.05 32.96,19.05 arc(33.18,19.15) 33.27,19.37 33.27,20.2 arc(33.34,20.36) 33.5,20.43 arc(33.66,20.36) 33.72,20.2 33.72,20.02 arc(33.85,19.71) 34.15,19.59 37.03,19.59 arc(37.13,19.55) 37.17,19.45 arc(37.21,19.36) 37.31,19.32 37.33,19.32 arc(37.43,19.36) 37.47,19.45 arc(37.51,19.55) 37.61,19.59 39.19,19.59 50.9,7.88 50.9,5.75 J3.24
  Bottom w0.1: U2.G5 15.29,13.71 15.54,13.96 15.86,13.96 16.05,14.15 16.05,14.4 16.42,14.77 16.42,15.44 16.14,15.72 16.14,18.37 17.01,19.24 20.06,19.24 20.42,19.59 20.91,19.59 v1(21.17,19.33)
/CAM_RST: length 25.5
  Top w0.15: 65.66,13.21 65.47,13.21 v1(65.46,13.22) ; 65.66,13.21 U4.11 ; 65.66,13.21 65.55,13.21 ; v1(46.25,7.71) 46.25,5.6
  Bottom w0.15: v1(65.46,13.22) 65.3,13.22 59.79,7.71 v1(46.25,7.71)
/CAM_RST_1V8: length 21.4
  Top w0.15: 82.55,21.43 72.66,21.43 70.9,19.66 v1(70.9,15.5) ; v1(70.64,14) 70.64,13.55 70.3,13.21 U4.4
  Top w0.254: Q1.1 83.02,21.89 82.55,21.43
  Bottom w0.15: v1(70.9,15.5) 70.9,14.26 v1(70.64,14)
/M1_AVDD: length 37.2
  Top w0.15: v1(87.95,14.11) 88.2,13.86 88.2,12.9 87.7,12.4 87.7,9.98 v1(89.35,8.33) ; v1(89.35,8.33) 88.72,7.7 ; v1(89.35,8.33) 89.87,8.85 90.26,8.85
  Top w0.25: v1(80.59,11.21) 79.95,11.21 79.69,10.95
  Top w0.254: C20.1 79.63,10.92 C18.1 78,10.92 v1(77.05,9.97) 76.32,9.97 75.35,9
  Bottom w0.1: 87.21,13.93 87.12,13.84 87.12,13.84 U1.G8 ; 87.21,13.93 87.73,13.93 87.91,14.11 v1(87.95,14.11) ; 87.21,13.93 86.57,13.93 U1.G7 ; v1(89.35,8.33) 89.35,8.85 86.99,11.21 ; v1(80.59,11.21) 81.1,11.71 U1.C1
  Bottom w0.25: v1(89.35,8.33) 87.92,6.9 80.51,6.9 77.44,9.97 v1(77.05,9.97)
/M1_CAM_SCL: length 34.1
  Top w0.15: 28.8,4.59 30.26,4.59 33.65,1.2 39.1,1.2 42.75,4.85 J3.40 42.75,7.52 36.02,14.25 U3.12
/M1_CAM_SCL_1V8: length 65.4
  Top w0.15: v1(69.5,7.3) 70.2,8 75.9,8 78.21,10.31 v1(80.45,10.31) ; v1(27.27,14.25) U3.3
  Bottom w0.1: U1.E4 84.05,12.33 84.05,12.1 83.92,11.96 83.69,11.96 83.47,11.75 83.47,11.66 83.28,11.46 83.05,11.46 82.9,11.32 82.9,11.25 82.62,10.96 82.29,10.96 81.64,10.31 v1(80.45,10.31)
  Bottom w0.15: v1(27.27,14.25) 27.27,12.89 33.96,6.2 68.4,6.2 v1(69.5,7.3)
/M1_CAM_SDA: length 35.3
  Top w0.15: U3.13 36.79,14.75 43.25,8.29 J3.39 43.25,4.85 39.3,0.9 33.51,0.9 31.45,2.96 28.82,2.96
/M1_CAM_SDA_1V8: length 67.8
  Top w0.1: 83.6,8.7 83.61,8.71
  Top w0.15: v1(32.57,8.55) 32.57,8.16 32.03,7.61 32.03,6.12 32.07,6.08 ; 83.63,8.7 84.04,8.7 v1(84.05,8.71) ; 83.6,8.7 83.4,8.9 80.8,8.9 79.85,7.95 78.99,7.95 78.74,7.7 70.66,7.7 v1(69.59,6.62) ; U3.2 27.53,14.75 v1(27.26,15.03)
  Bottom w0.1: U1.A4 84.43,9.09 v1(84.05,8.71)
  Bottom w0.15: v1(32.57,8.55) 32.57,9.71 v1(27.26,15.03) ; v1(69.59,6.62) 68.78,5.82 32.5,5.82
  vias: v1(32.28,5.92)
/M1_DOVDD: length 36
  Top w0.15: 84.51,9.21 v1(87.27,9.21) C16.1 ; 84.51,9.21 84.51,14.11 85.05,14.65 85.35,14.65 85.62,14.92 v1(85.62,15.79) ; 84.51,9.21 80.05,9.21 v1(79.94,9.33) ; 74.36,16.09 74.36,17.31
  Top w0.25: v1(77.78,13.8) 77.02,14.56 C13.1
  Top w0.254: v1(75.15,15.17) 75.15,15.76 75.06,15.84 74.12,15.84 ; v1(78.46,14.43) 78.5,14.47 79.29,14.47
  Bottom w0.1: 83.16,14.2 83.16,14.95 82.61,15.5 78.6,15.5 v1(78.3,15.2) ; U1.H6 85.71,14.51 85.87,14.66 85.87,15.54 v1(85.62,15.79) ; v1(79.65,13.68) 79.65,13.29 80.48,12.46 81.12,12.46 81.13,12.46 83.54,12.46 83.8,12.2 ; v1(87.27,9.21) 86.63,9.85 86.63,10.93 U1.B7
/M1_DVDD: length 24
  Top w0.1: v1(85.05,8.61) 85.05,8.39 C9.1
  Top w0.254: v1(81,8.4) 80.08,7.48 C14.1 78.86,7.04 C12.1 77.34,7.04 77,6.7 76.15,6.7
  Bottom w0.1: v1(87.54,15.32) 87.06,15.32 86.04,14.3 86.04,14.04 U1.G6 ; v1(81.7,14.9) 81.7,14.52 83.01,13.21 U1.F3 ; U1.B1 81.69,11.21 v1(81.46,10.98) ; U1.C5 84.73,11.37 84.73,10.29 84.65,10.22 84.65,9.01 v1(85.05,8.61) ; v1(85.1,15.1) 85.07,15.07 U1.H5 ; v1(81,8.4) 83.15,10.55 U1.A2 83.65,11.21 U1.B3 ; v1(88.92,11.97) 88.67,12.21 U1.D8
/M1_MCLK: length 11.8
  Top w0.15: 83.38,11.4 81.65,13.12 81.65,14.21 v1(80.93,14.94) 80.04,15.83 80.04,17.51
  Bottom w0.1: v1(80.93,14.94) 80.59,14.61 80.59,13.86 81.49,12.96 82.9,12.96 83.16,12.7
/M1_PVDD: length 8.7
  Top w0.1: v1(86.05,8.51) 85.82,8.28 C17.1 86.32,7.2 88.25,7.2 88.72,6.73
  Bottom w0.1: U1.D5 85.32,11.96 85.94,11.96 86.05,11.85 v1(86.05,8.51)
/M1_SID: length 14.4
  Top w0.1: v1(78.5,13.4) 78.57,13.4 79.09,12.89 80.56,12.89
  Top w0.15: v1(73.12,15.28) 73.12,16.72 73.41,17 73.41,18.64 73.47,18.7 ; 80.56,12.89 v1(80.95,12.89)
  Bottom w0.1: v1(73.12,15.28) 73.45,15.6 76.2,15.6 77.4,14.4 77.8,14.4 78.5,13.7 v1(78.5,13.4) ; U1.E1 81.21,12.71 81.03,12.9
/M1_VH: length 3.6
  Top w0.15: v1(89.5,13.61) 89.99,14.1
  Bottom w0.1: v1(89.5,13.61) 88.6,12.71 U1.E8
/M1_VN1: length 4.7
  Top w0.1: v1(88.78,10.6) 90.24,10.6
  Bottom w0.1: U1.D7 86.62,11.94 86.62,11.72 86.88,11.46 87.5,11.46 88.36,10.6 v1(88.78,10.6)
/M1_VN2: length 3.9
  Top w0.1: v1(89.65,12.46) 90.18,12.46
  Bottom w0.1: 86.36,12.7 86.6,12.46 v1(89.65,12.46)
/M1_VN3: length 5.5
  Top w0.15: v1(88.7,13.71) 88.7,14.39 90.19,15.88
  Bottom w0.1: 86.36,13.2 86.59,12.96 87.95,12.96 v1(88.7,13.71)
/M1_VSYNC: length 23.9
  Top w0.15: J3.32 v1(46.75,6.82) ; U4.13 64.99,12.21 v1(64.07,11.29)
  Bottom w0.15: v1(64.07,11.29) 59.59,6.82 v1(46.75,6.82)
/M1_VSYNC_1V8: length 3.5
  Top w0.15: v1(70.79,10.91) 71.31,10.91 71.51,10.7 ; U4.2 70.61,12.21 v1(70.8,12.4)
  Bottom w0.1: v1(70.79,10.91) 70.79,12.39 v1(70.8,12.4)
/M1_VSYNC_1V8_M: length 70.6
  Top w0.15: 72.49,10.7 72.7,10.48 v1(73.67,10.48) ; 24.42,8.2 25.23,8.2 v1(25.24,8.21)
  Bottom w0.1: v1(73.67,10.48) 77.97,10.48 80.47,7.97 85.05,7.97 85.55,8.47 85.55,10.17 85.55,10.18 85.55,10.34 85.46,10.44 85.46,10.83 U1.B5
  Bottom w0.15: v1(25.24,8.21) 28.05,5.4 69.9,5.4 73.5,9 73.5,10.31 v1(73.67,10.48)
/M2_AVDD: length 36
  Top w0.15: 11.44,11.71 10.41,11.71 9.9,11.2 9.9,9.85 v1(8.85,8.8) ; 19.13,7.7 v1(19.13,8.51) 19.13,10.51 18.95,10.69 18.95,12.7 17.7,13.95 v1(17.7,14.4) 18.95,15.65 C35.1
  Top w0.254: 4.63,9.25 5.08,8.8 C36.1 C37.1 v1(8.85,8.8)
  Bottom w0.1: 12.52,11.71 11.45,11.71 v1(11.44,11.71) ; v1(17.7,14.4) 17.25,13.95 17.12,13.95 ; 16.36,13.7 16.61,13.95 17.12,13.95 ; 17,13.7 17.12,13.83 17.12,13.95 ; v1(19.13,8.51) 19.13,9.08 17,11.21
  Bottom w0.25: v1(19.13,8.51) 18.96,8.34 9.31,8.34 v1(8.85,8.8)
/M2_CAM_SCL: length 32.1
  Top w0.15: 28.8,7.82 28.8,7.07 34.07,1.8 38.7,1.8 41.75,4.85 J3.42 41.75,6.05 34.55,13.26 U3.10
/M2_CAM_SCL_1V8: length 33.5
  Top w0.15: U3.5 27.71,13.26 27.49,13.03 27.49,9.88 26.73,9.12 26.73,6.89 24.86,5.01 11.35,5.01 11,5.36 v1(11,9.31)
  Bottom w0.1: v1(11,9.31) 11,9.7 12.27,10.96 12.64,10.96 12.85,11.17 12.85,11.27 13.05,11.46 13.31,11.46 13.47,11.62 13.47,11.78 13.66,11.96 13.92,11.96 14.1,12.15 14.1,12.38 14.44,12.71
/M2_CAM_SDA: length 32.7
  Top w0.15: U3.11 35.25,13.75 42.25,6.75 J3.41 42.25,4.85 38.9,1.5 33.79,1.5 29.19,6.1 28.91,6.1
/M2_CAM_SDA_1V8: length 31.4
  Top w0.15: U3.4 27.56,13.75 27.22,13.42 27.22,10.11 26.42,9.3 26.42,7.17 24.71,5.46 11.7,5.46 11.3,5.86 11.3,8.51 11.95,9.16 v1(14.15,9.16)
  Bottom w0.1: 14.44,10.71 14.44,9.45 v1(14.15,9.16)
/M2_DOVDD: length 31.5
  Top w0.15: 15.05,9.61 13.45,9.61 13.35,9.51 11.44,9.51 10.7,10.25 v1(10.65,10.25) ; 15.05,9.61 15.05,14.45 15.6,15 v1(15.99,15) ; 15.05,9.61 15.62,9.61 17.55,9.61 v1(17.7,9.46) C31.1 ; v1(13.26,15.13) 13.26,15.6 12.85,16.01 10.95,16.01 v1(10.65,15.71) ; v1(8.42,13.39) 9.15,13.39
  Top w0.254: 3.35,16.85 3.35,15.2 v1(4.33,15.2) v1(5.1,15.2) 5.78,15.2
  Bottom w0.1: 13.16,14.21 13.16,14.52 13.25,14.61 13.25,15.12 v1(13.26,15.13) ; v1(10.05,12.31) 10.2,12.47 13.55,12.46 13.8,12.21 ; 16.36,11.21 16.67,10.89 16.67,10.49 v1(17.7,9.46) ; 15.72,14.21 15.72,14.73 v1(15.99,15)
/M2_DVDD: length 36.4
  Top w0.1: v1(10.8,10.98) 10.77,10.98 10.15,10.35 10.15,7.85
  Top w0.15: v1(14.85,9.1) 14.86,9.09 C23.1
  Top w0.254: v1(16.9,15.7) 16.6,16 15.56,16 v1(15.28,15.72) ; 4.62,7.25 5.08,7.7 C27.1 C29.1 8.44,7.84 v1(10.15,7.84)
  In2.Cu w0.254: v1(11.95,10.01) 11.95,8.7 11.09,7.84 v1(10.15,7.84)
  In2.Cu w0.508: v1(10.8,10.98) 11.86,10.98 11.95,10.89 v1(11.95,10.01)
  Bottom w0.1: U2.G6 15.96,13.46 17.5,13.46 v1(18.75,14.71) ; 13.8,13.2 13.02,13.2 12.05,14.17 12.05,14.55 v1(11.65,14.95) ; 12.52,11.21 11.04,11.21 v1(10.8,10.98) ; v1(14.85,9.1) 14.77,9.18 14.77,11.41 15.08,11.71 ; 15.08,14.2 15.08,15.52 v1(15.28,15.72) ; 17,12.21 19.37,12.21 19.84,11.75 v1(19.84,11.67) ; v1(11.95,10.01) 12.47,10.01 13.66,11.2 13.8,11.2
/M2_MCLK: length 7
  Top w0.15: 9.55,16.81 10.15,16.21 10.15,14.59 13.37,11.37
/M2_MCLK_M: length 91.3
  Top w0.15: v1(78.35,19.71) 79.07,19 79.07,17.51 ; v1(77.35,23.81) 77.25,23.71 8.68,23.71 7.05,22.08 7.05,18.33 8.57,16.81 8.57,16.38 8.84,16.11 9.34,16.11 9.85,15.6 9.85,14.24 v1(10.56,13.52)
  Bottom w0.1: v1(10.56,13.52) 11.14,12.95 11.15,12.96 12.9,12.96 U2.E2
  Bottom w0.15: v1(78.35,19.71) 77.35,20.71 v1(77.35,23.81)
/M2_PVDD: length 8.6
  Top w0.15: v1(16.28,8.84) C32.1 16.76,7.22 18.64,7.22 19.13,6.73
  Bottom w0.1: v1(16.28,8.84) 16.05,9.08 16.05,11.85 15.94,11.96 15.33,11.96 15.08,12.21
/M2_SID: length 10.8
  Top w0.254: 4.32,16.85 5.27,16.85
  Bottom w0.1: 12.52,12.71 10.71,12.71 9.34,14.08 6.92,14.08 4.8,16.2 v1(4.8,16.85)
/M2_VH: length 3.9
  Top w0.1: v1(19.71,13.67) 20.04,14 C38.1
  Bottom w0.1: v1(19.71,13.67) 18.75,12.71 17,12.71
/M2_VN1: length 4.7
  Top w0.1: v1(19.4,10.88) C22.1
  Bottom w0.1: v1(19.4,10.88) 18.15,10.88 17.56,11.46 16.86,11.46 16.61,11.72 16.61,11.95 16.36,12.2
/M2_VN2: length 4.3
  Top w0.1: v1(19.5,12.67) 20.17,12.67 C24.1
  Bottom w0.1: 16.36,12.71 16.61,12.46 19.29,12.46 v1(19.5,12.67)
/M2_VN3: length 6.7
  Top w0.15: v1(18.95,13.61) 20.53,15.19 20.91,15.19 C25.1
  Bottom w0.1: v1(18.95,13.61) 18.3,12.96 16.59,12.96 16.36,13.2
/M2_VSYNC: length 26.1
  Top w0.15: U4.12 64.06,12.71 v1(63.07,11.72) ; v1(45.75,8.51) 45.75,5.6
  Bottom w0.15: v1(63.07,11.72) 59.86,8.51 v1(45.75,8.51)
/M2_VSYNC_1V8: length 69.2
  Top w0.1: v1(24.43,10.49) 24.42,10.47 24.42,9.34
  Top w0.15: v1(26.41,21.25) 27.36,22.21 68.67,22.21 70.14,20.74 70.14,15.39 71.09,14.44 71.09,13.34 70.46,12.71 U4.3
  Bottom w0.1: v1(26.41,21.25) 22.47,17.32 22.47,11.28 23.27,10.49 v1(24.43,10.49)
/M2_VSYNC_1V8_M: length 12.5
  Top w0.1: 23.45,9.33 23.45,8.2 22.6,8.2 v1(22.02,7.62)
  Top w0.15: v1(18.45,10.35) 18.21,10.11 v1(15.55,10.11)
  Bottom w0.1: 15.08,11.21 15.4,10.89 15.4,10.26 v1(15.55,10.11) ; v1(22.02,7.62) 22.02,8.73 20.4,10.35 v1(18.45,10.35)
Net-(R1-Pad1): length 6.6
  Top w0.254: 27.83,7.82 27.83,2.98 28.75,2.06 28.75,1.56

## Copper pours and planes (outline as drawn; the poured copper is in the pictures)
+1V2 on In2.Cu: -0.05,7.71 -0.05,5.21 92.75,5.21 92.75,7.71
+1V8 on In2.Cu: -0.05,21.91 -0.05,16.41 11.3,16.41 11.3,16.81 13.4,16.81 13.4,20.63 22.33,20.63 22.33,16.41 59.77,16.41 59.77,19.34 86.69,19.34 86.69,16.25 92.75,16.25 92.75,21.91
+2V8 on In2.Cu: 59.76,13.71 59.77,16.03 21.95,16.11 21.95,8.01 73.75,8.01 73.75,13.75
+3V3 on In2.Cu: 100,4.91 100.05,4.91 100.05,0.01 -0.05,0.01 -0.05,4.91 93.05,4.91 93.05,22.21 -0.05,22.21 -0.05,25.01 100,25.01
GND on Top: 65.98,2.08 62.68,2.08 62.68,9.58 65.98,9.58
GND on Top: 34.08,2.08 37.38,2.08 37.38,9.58 34.08,9.58
GND on In1.Cu: 101,-1 -1,-1 -1,26 101,26
GND on In2.Cu: 86.4,13.5 83.13,13.5 83.13,14.64 82.12,14.64 81.99,15.27 80.4,15.28 80.4,15.7 73.9,15.7 73.9,13.9 59.9,13.9 59.9,19.2 86.4,19.2
GND on In2.Cu: 22.23,16.2 16.6,16.2 16.6,13.1 13.5,13.1 13.5,15.7 11.4,15.7 11.4,16.7 13.5,16.7 13.5,20.53 22.23,20.53
/M1_DOVDD on In2.Cu: 80.35,8.01 74.05,8.01 74.05,15.61 80.35,15.61
/M1_DVDD on In2.Cu: 92.75,8.01 80.65,8.01 80.65,15.21 81.99,15.21 82.12,14.58 83,14.58 83,13.39 84.8,13.39 84.8,15.41 85.3,15.41 85.3,13.37 86.4,13.37 86.4,15.6 92.75,15.6
/M2_DOVDD on In2.Cu: -0.05,16.11 10.95,16.11 10.95,8.01 -0.05,8.01
/M2_DVDD on In2.Cu: 16.7,16.11 16.7,13 13.3,13 13.3,15.61 11.25,15.61 11.25,8.01 21.65,8.01 21.65,16.11

## Text on the board
Bottom: OV9281 Dual Camera Board / Rev.1.1.2 11/2023
B.Mask: OV9281 Dual Camera Board / Rev.1.1.2 11/2023
User.Drawings: Layer | 1 | Name | Top Solder | Top Layer | Dielectric 1 | Ground Plane | Dielectric 2 | Power Plane | Dielectric 3 | Bottom Layer | Bottom Solder | Copper | FR-4 | Material | Solder Resist | Thickness | 0.02mm | 0.035mm | 0.12mm | 0.018mm | 1.2mm | Constant | 3.5 | 4.2
F.Silkscreen: 50 | 1 | PCB SHA ########
